# Altium PCB PCB_v6.PcbDoc (part 5 of 7)
Units mil, origin at the board's own origin, x right, y up, seen from the top; angles counter-clockwise.
Board outline 6750 x 6000 mil, 6 copper layers (Top Layer, Int1 (GND), Int2 (Sign), Int3 (Sign), Int4 (PWR), Bottom Layer), stack 61.067 mil thick; 476 components, 584 nets, 2542 pads, 986 vias.
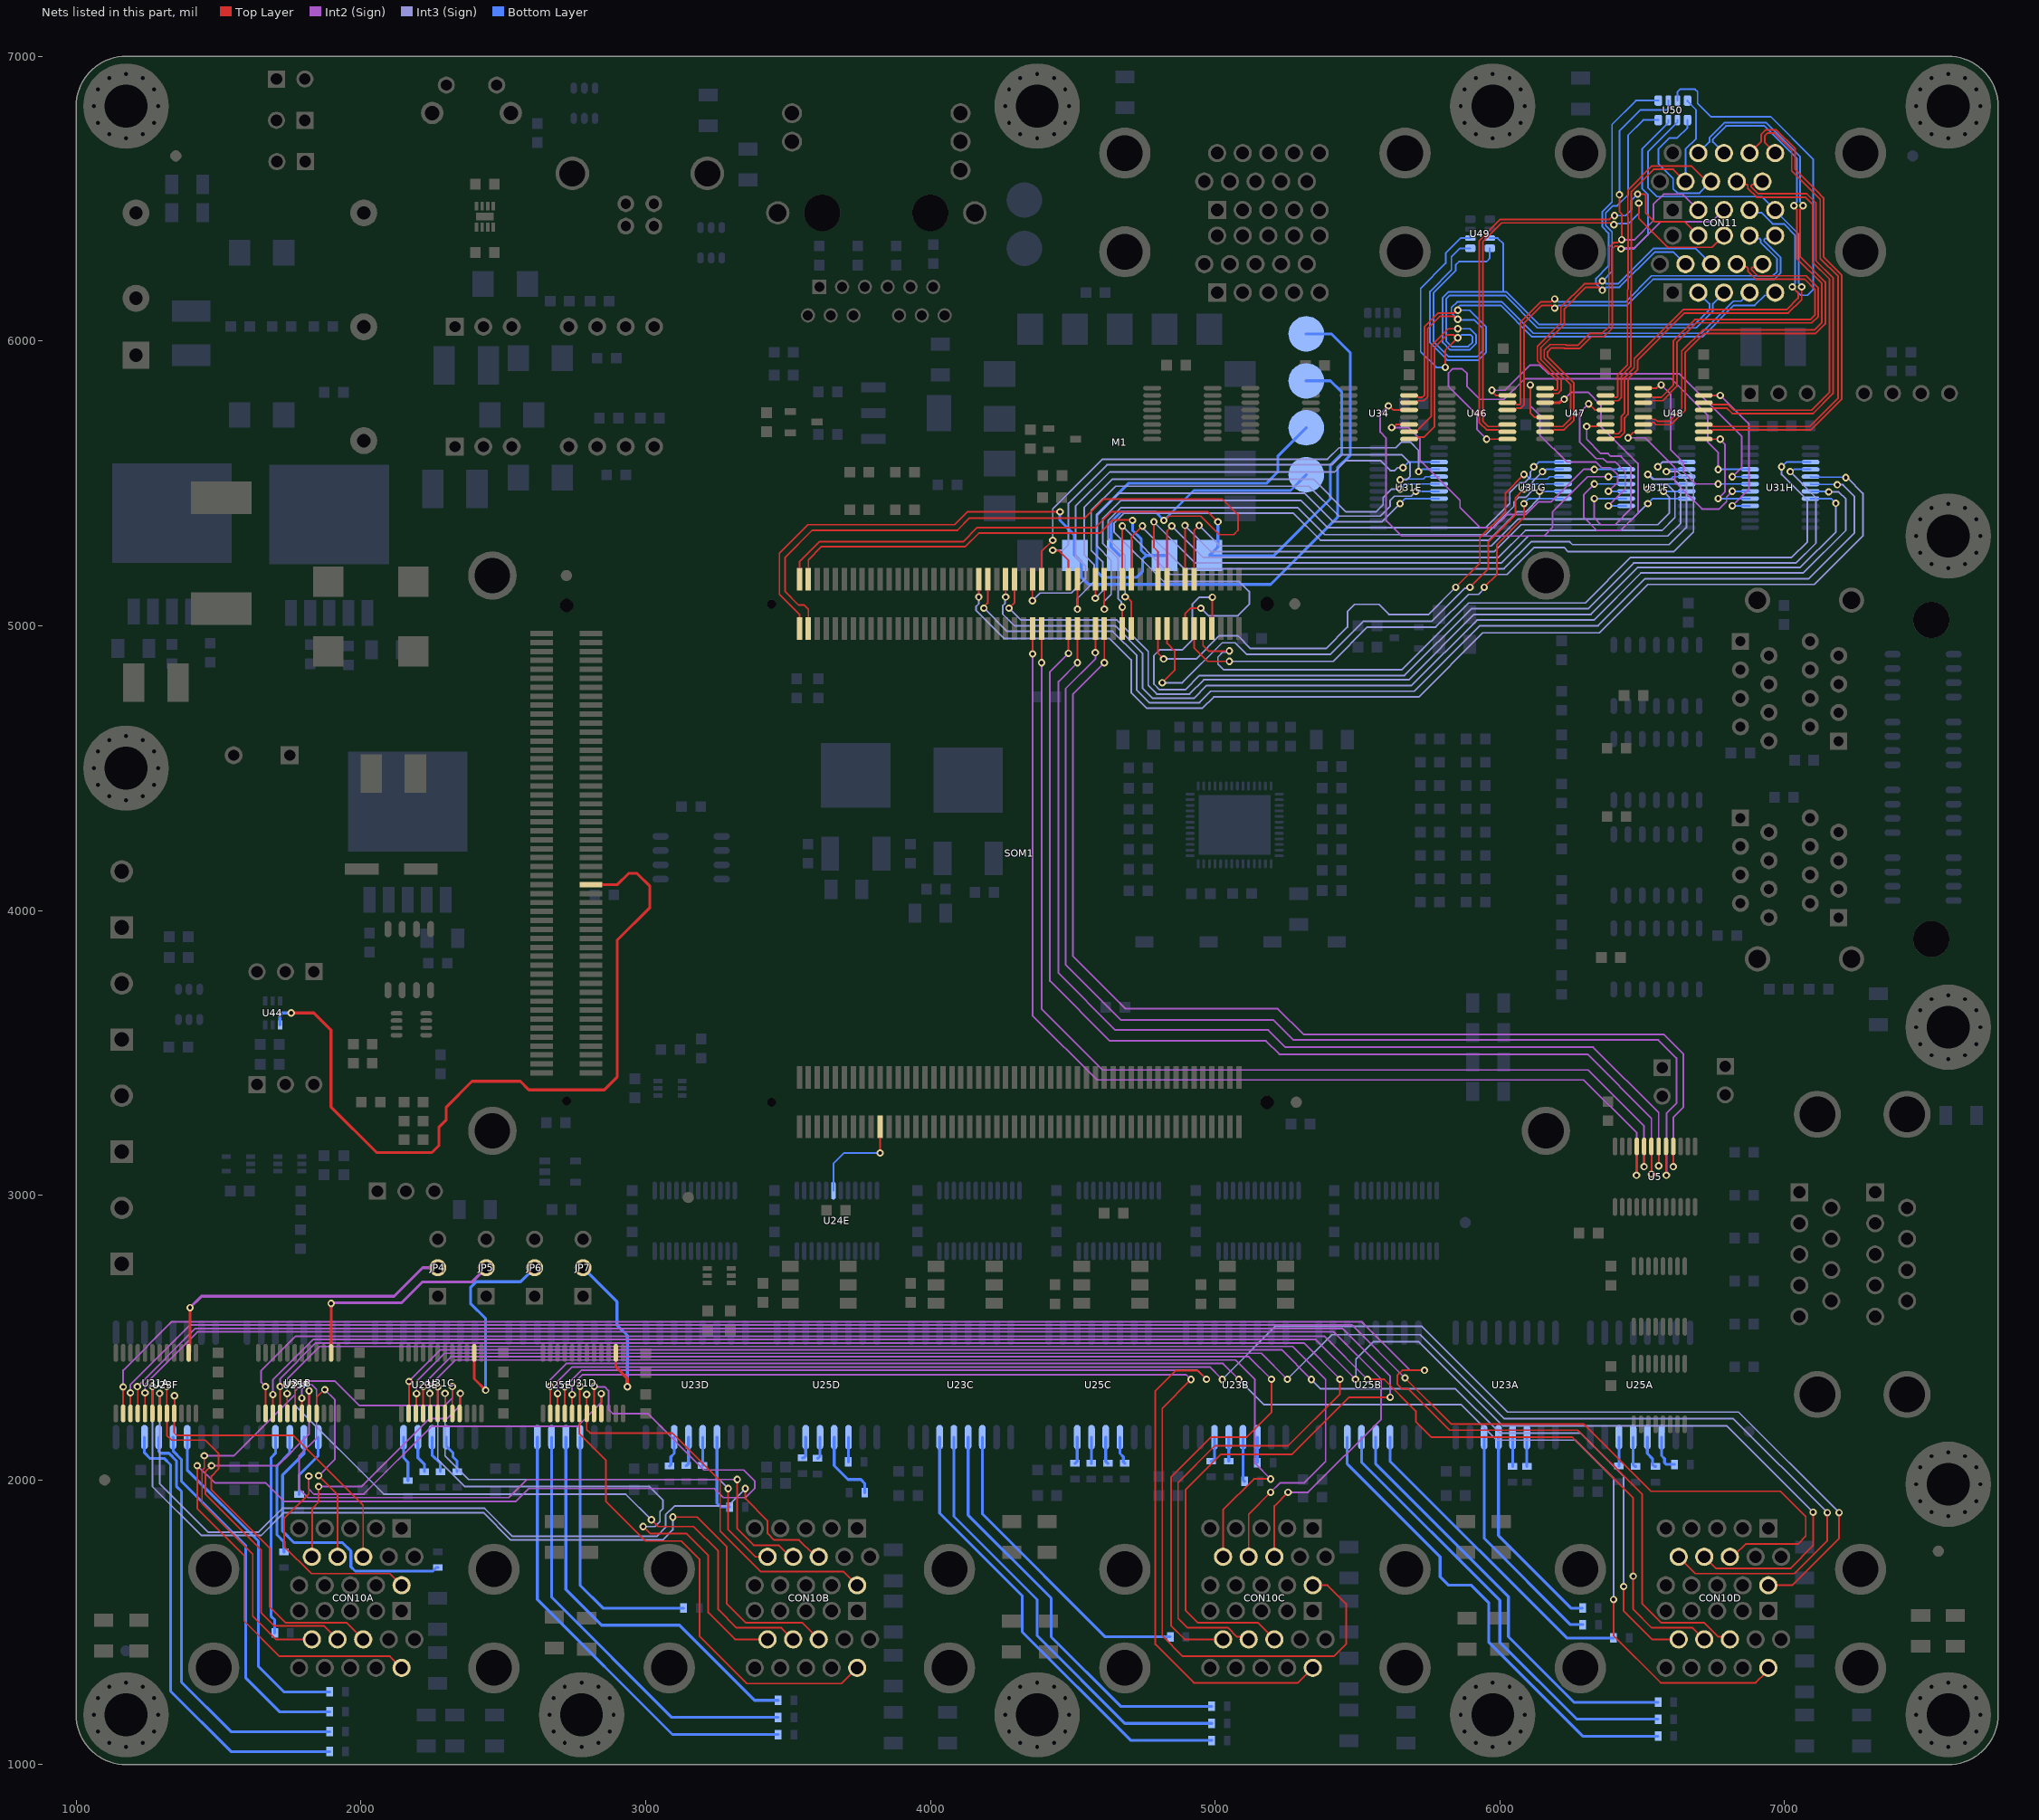
[diagram p9: the nets of this part, all layers, seen from the top]

## Via types
v1: diameter 26, hole 14, Top Layer to Bottom Layer, tented both sides, 919 vias
v2: diameter 40, hole 20, Top Layer to Bottom Layer, tented both sides, 53 vias
v3: diameter 60, hole 20, Top Layer to Bottom Layer, tented both sides, 6 vias
v4: diameter 30, hole 16, Top Layer to Bottom Layer, tented both sides, 5 vias
v5: diameter 60, hole 30, Top Layer to Bottom Layer, tented both sides, 2 vias
v6: diameter 80, hole 40, Top Layer to Bottom Layer, tented both sides, 1 vias

## Nets (pads, with @x,y where several pads share a name; then routed paths per layer and width w, separated by ;. In a path a pad name is that pad's centre, name@x,y a point inside that pad or via, vN(x,y) a via of type N, cw(c..) or ccw(c..) an arc to the next point about the centre after c; other vN are vias at no path point) (continued)
GPIO3_IN1: U31F.21 U34.11 | length 1177.9
  Top Layer w6: v1(5620,5696.17) 5625.41,5696.17 5635.85,5706.61 U34.11@5681.3,5706.61
  Int2 (Sign) w6: v1(5620,5696.17) 5678.83,5696.17 5720,5655 5720,5580 5860,5440 5860,5415 5930,5345 5980,5345 6025,5390 6090,5390 6135,5435 6180,5435 6293.98,5548.98 v1(6331.81,5548.98)
  Bottom Layer w6: v1(6331.81,5548.98) U31F.21@6443.7,5548.98
GPIO3_IN1_N: CON11.3A U34.9 U49.6 | length 2634.2
  Top Layer w6: U34.9@5681.3,5655.43 5706.51,5655.43 5713.31,5662.23 5732.86,5662.23 5770.76,5700.13 5770.76,5977.24 5814.48,6020.96 5838.38,6020.96 v1@5848.38,6010.96 ; v1(5808.43,5907.54) 5808.43,5967.49 v1(5851.89,6010.96)
  Bottom Layer w6: v1(5808.43,5907.54) 5776.77,5907.54 5721.68,5962.63 5721.68,6184.41 5809.92,6272.65 5809.92,6308.92 5862.05,6361.04 U49.6@5896.3,6361.04 ; v1(5851.89,6010.96) 5855.41,6010.96 5865.41,6020.96 5898,6020.96 5904,6014.96 5904,5995.72 5889.09,5980.81 5829.89,5980.81 5811.05,5999.65 5811.05,6147.39 5823.66,6160 6011.93,6160 6018.39,6160 6132.12,6046.27 6689.25,6046.27 6748,6105.02 6748,6131 CON11.3A@6787,6170
GPIO3_IN1_P: CON11.2A U34.10 U49.3 | length 2178.6
  Top Layer w6: U34.10@5681.3,5681.02 5704.92,5681.02 5758.76,5734.86 5758.76,5982.21 5819.51,6042.96 v1(5851.89,6042.96)
  Bottom Layer w6: v1(5851.89,6042.96) 5895.46,6042.96 5916,6022.42 5916,5990.75 5894.06,5968.81 5824.92,5968.81 5799.05,5994.68 5799.05,6152.36 5818.69,6172 6011.93,6172 ; U49.3@5964.8,6361.04 5992.37,6361.04 6011.93,6341.48 6011.93,6172 ; CON11.2A@6697,6170 6736,6131 6736,6109.99 6684.28,6058.27 6137.09,6058.27 6023.36,6172 6011.93,6172
GPIO3_IN2: U31F.20 U34.13 | length 1485.9
  Top Layer w6: v1(5608.46,5772.09) 5610.99,5772.09 5625.29,5757.8 U34.13@5681.3,5757.8
  Int2 (Sign) w6: v1(5608.46,5772.09) 5580,5743.62 5580,5680 5600,5660 5600,5370 5655,5315 6155,5315 6185,5345 6185,5400 6308.39,5523.39 v1(6381.36,5523.39)
  Bottom Layer w6: v1(6381.36,5523.39) U31F.20@6443.7,5523.39
GPIO3_IN2_N: CON11.5A U34.15 U49.5 | length 2537.2
  Top Layer w6: U34.15@5681.3,5808.98 5706.51,5808.98 5713.31,5802.18 5727.89,5802.18 5734.76,5809.05 5734.76,6049.19 5783.72,6098.15 5838.38,6098.15 5848.38,6108.15 v1(5851.89,6108.15)
  Bottom Layer w6: U49.5@5896.3,6325.61 5859.73,6325.61 5829.89,6295.77 5829.89,6248.88 5754.8,6173.79 5754.8,5993.56 5815.37,5933 5924.65,5933 5952,5960.35 5952,6049.67 5893.51,6108.15 v1(5851.89,6108.15) 5855.72,6111.98 5855.72,6120.28 5860.82,6125.37 6002.4,6125.37 6112.77,6015 6711.97,6015 6821.97,6125 6895,6125 6930.51,6160.51 6957.51,6160.51 CON11.5A@6967,6170
GPIO3_IN2_P: CON11.4A U34.14 U49.4 | length 2501.6
  Top Layer w6: U34.14@5681.3,5783.39 5706.51,5783.39 5713.31,5790.18 5732.86,5790.18 5746.76,5804.08 5746.76,6044.22 5788.69,6086.15 5838.38,6086.15 5848.38,6076.15 v1(5851.89,6076.15)
  Bottom Layer w6: U49.4@5964.8,6325.61 5964.8,6290.5 5953.29,6278.98 5856.33,6278.98 5844.63,6267.28 5844.63,6246.64 5766.8,6168.82 5766.8,5998.53 5820.34,5945 5919.68,5945 5940,5965.32 5940,6044.7 5911.03,6073.67 5854.38,6073.67 5829.89,6098.15 5829.89,6117.27 5850,6137.37 6007.37,6137.37 6117.74,6027 6707,6027 6820,6140 6847,6140 CON11.4A@6877,6170
GPIO3_IN3: U31F.19 U47.3 | length 1142.4
  Top Layer w10: U47.3@6158.7,5783.39 6209.8,5783.39 6221.89,5795.48 v1(6226.22,5795.48)
  Int2 (Sign) w6: v1(6226.22,5795.48) 6250.74,5820 6310,5820 6355,5775 6355,5700 6485,5570 6485,5395 6425,5335 6340,5335 6295,5380 6295,5460.99 v1(6331.81,5497.8)
  Bottom Layer w6: v1(6331.81,5497.8) U31F.19@6443.7,5497.8
GPIO3_IN3_N: CON11.8A U47.1 U50.8 | length 1748.9
  Top Layer w6: U47.1@6158.7,5834.57 6183.92,5834.57 6190.71,5827.77 6199.39,5827.77 6202.91,5831.29 6202.91,5858.34 6131.8,5929.44 6131.8,5981.58 6214.65,6064.42 6214.65,6118.62 6296.51,6200.49 6346.49,6200.49 6356.49,6210.49 v1(6360,6210.49)
  Bottom Layer w6: U50.8@6556.55,6776.1 6503.51,6776.1 6450.5,6723.1 6450.5,6513.02 6412.2,6474.73 6397.51,6474.73 6372,6449.21 6372,6405.59 6394,6383.59 6394,6244.49 v1(6360,6210.49) 6363.51,6210.49 6373.51,6200.49 6415.13,6200.49 6540.19,6325.54 6686.46,6325.54 CON11.8A@6742,6270
GPIO3_IN3_P: CON11.7A U47.2 U50.1 | length 1777.4
  Top Layer w6: U47.2@6158.7,5808.98 6183.92,5808.98 6190.71,5815.77 6204.36,5815.77 6214.91,5826.32 6214.91,5863.31 6143.8,5934.41 6143.8,5976.61 6226.65,6059.45 6226.65,6113.65 6301.49,6188.49 6346.49,6188.49 6356.49,6178.49 v1(6360,6178.49)
  Bottom Layer w6: U50.1@6556.55,6844.61 6478.12,6844.61 6394,6760.49 6394,6488.18 6360,6454.18 6360,6400.62 6382,6378.62 6382,6263.6 6338,6219.6 6338,6200.49 v1(6360,6178.49) 6363.51,6178.49 6373.51,6188.49 6420.1,6188.49 6543.41,6311.79 6610.21,6311.79 CON11.7A@6652,6270
GPIO3_OUT1: U31H.21 U46.9 | length 1748.4
  Top Layer w6: v1(5953.29,5655.16) 5953.43,5655.3 6026.16,5655.3 U46.9@6026.3,5655.43
  Int2 (Sign) w6: v1(5953.29,5655.16) 5920,5688.45 5920,5740 5820,5840 5820,5888 5833.82,5901.82 5868.18,5901.82 5885,5885 5885,5840 5930,5795 6015,5795 6087.39,5867.39 6602.61,5867.39 6730,5740 6730,5645 6766.81,5608.19 v1(6766.81,5548.98)
  Bottom Layer w6: v1(6766.81,5548.98) U31H.21@6878.7,5548.98
GPIO3_OUT1_N: CON11.13A U46.11 | length 1768
  Top Layer w6: U46.11@6026.3,5706.61 6001.08,5706.61 5994.29,5699.82 5958.26,5699.82 5940,5718.08 5940,6347.95 6006.9,6414.84 6389.01,6414.84 6395.56,6408.29 v1(6400.41,6408.29) ; v1(6487.73,6483.97) 6487.73,6431.28 6590.02,6329 6746,6329 CON11.13A@6787,6370
  Bottom Layer w6: v1(6400.41,6408.29) 6404.14,6412.03 6451.03,6412.03 6487.73,6448.73 v1(6487.73,6483.97)
GPIO3_OUT1_P: CON11.12A U46.10 | length 1704.2
  Top Layer w6: U46.10@6026.3,5681.02 6001.08,5681.02 5994.29,5687.82 5953.29,5687.82 5931.51,5709.59 5928,5713.11 5928,6352.92 6001.93,6426.84 6385.02,6426.84 6398.38,6440.21 v1(6402.77,6440.21) ; v1(6483.79,6515.73) 6508.41,6515.73 6511.93,6512.21 6511.93,6449.67 6542.59,6419 6648,6419 CON11.12A@6697,6370
  Bottom Layer w6: v1(6402.77,6440.21) 6441.26,6440.21 6461.79,6460.73 6461.79,6493.73 v1(6483.79,6515.73)
GPIO3_OUT2: U31H.20 U46.15 | length 1300
  Top Layer w6: v1(5972,5826.69) 5972,5822.78 5985.8,5808.98 U46.15@6026.3,5808.98
  Int2 (Sign) w6: v1(5972,5826.69) 6016.69,5826.69 6105,5915 6140,5915 6170,5885 6630,5885 6850,5665 6850,5557.03 v1(6816.36,5523.39)
  Bottom Layer w6: v1(6816.36,5523.39) U31H.20@6878.7,5523.39
GPIO3_OUT2_N: CON11.15A U46.13 | length 1520.6
  Top Layer w6: U46.13@6026.3,5757.8 6051.51,5757.8 6058.31,5764.59 6074.29,5764.59 6084.83,5775.13 6084.83,6061.78 6148.42,6125.37 6179.14,6125.37 6189.14,6115.37 v1(6192.65,6115.37)
  Bottom Layer w6: v1(6192.65,6115.37) 6196.16,6115.37 6206.16,6125.37 6446.35,6125.37 6537.98,6217 6963.91,6217 6985.51,6238.6 6985.51,6293.5 6928,6351.01 6928,6355.98 6931.51,6359.5 6956.5,6359.5 CON11.15A@6967,6370
GPIO3_OUT2_P: CON11.14A U46.14 | length 1500.7
  Top Layer w6: U46.14@6026.3,5783.39 6051.51,5783.39 6058.31,5776.59 6069.32,5776.59 6072.83,5780.11 6072.83,6066.76 6143.45,6137.37 6179.14,6137.37 6189.14,6147.37 v1(6192.65,6147.37)
  Bottom Layer w6: v1(6192.65,6147.37) 6196.16,6147.37 6206.16,6137.37 6441.38,6137.37 6533.01,6229 6958.94,6229 6973.51,6243.58 6973.51,6288.53 6916,6346.04 6916,6355.98 6912.49,6359.5 6887.5,6359.5 CON11.14A@6877,6370
GPIO3_OUT3: U31H.19 U48.1 | length 656.4
  Top Layer w6: U48.1@6503.7,5834.57 6550.28,5834.57 6561.1,5845.39 v1(6566.51,5845.39)
  Int2 (Sign) w6: v1(6566.51,5845.39) 6600,5811.91 6600,5617.5 6645,5572.5 6645,5540 6687.2,5497.8 v1(6766.81,5497.8)
  Bottom Layer w6: v1(6766.81,5497.8) U31H.19@6878.7,5497.8
GPIO3_OUT3_N: CON11.10A U48.3 | length 1242.2
  Top Layer w6: U48.3@6503.7,5783.39 6528.92,5783.39 6535.71,5790.18 6571.76,5790.18 6622,5840.42 6622,5995.99 6689.53,6063.51 7095.5,6063.51 7118.41,6086.42 7118.41,6186.59 7076,6229 6905.02,6229 6883.6,6250.42 6883.6,6255.39 6887.12,6258.9 6910.9,6258.9 CON11.10A@6922,6270
GPIO3_OUT3_P: CON11.9A U48.2 | length 1223.5
  Top Layer w6: U48.2@6503.7,5808.98 6528.92,5808.98 6535.71,5802.18 6566.79,5802.18 6610,5845.39 6610,6000.96 6684.56,6075.51 7090.53,6075.51 7106.41,6091.39 7106.41,6181.62 7071.03,6217 6900.05,6217 6871.6,6245.45 6871.6,6255.39 6867.49,6259.5 6842.5,6259.5 CON11.9A@6832,6270
GPIO4_IN1: U31F.18 U47.5 | length 810.4
  Top Layer w6: v1(6106.83,5845.39) 6106.83,5747.37 6122,5732.2 U47.5@6158.7,5732.2
  Int2 (Sign) w6: v1(6106.83,5845.39) 6106.83,5773.17 6140,5740 6140,5670 6235,5575 6336.9,5575 6356.9,5555 6388.03,5555 6414.01,5529.01 6414.01,5504.86 v1(6381.36,5472.2)
  Bottom Layer w6: v1(6381.36,5472.2) U31F.18@6443.7,5472.2
GPIO4_IN1_N: CON11.3B U47.7 U50.7 | length 1959.5
  Top Layer w6: U47.7@6158.7,5681.02 6183.92,5681.02 6190.71,5687.82 6225.56,5687.82 6260.22,5722.48 6260.22,5851.93 6167.8,5944.35 6167.8,5962.58 6180.69,5975.46 6225.14,5975.46 6227.16,5973.44 6279.49,5973.44 6320.53,6014.49 6364.43,6014.49 6394.9,6044.96 6394.9,6323.56 6404.89,6333.54 6412.49,6333.54 6422.49,6323.54 v1(6426,6323.54)
  Int2 (Sign) w6: v1(6426,6323.54) 6429.46,6327 6474.18,6327 6566.18,6419 6746,6419 CON11.3B@6787,6460
  Bottom Layer w6: v1(6426,6323.54) 6470.72,6323.54 6520,6372.82 6520,6514.32 6500,6534.32 6500,6675.26 6591.98,6767.25 U50.7@6591.98,6776.1
GPIO4_IN1_P: CON11.2B U47.6 U50.2 | length 1989.7
  Top Layer w6: U47.6@6158.7,5706.61 6183.92,5706.61 6190.71,5699.82 6220.59,5699.82 6248.22,5727.45 6248.22,5846.96 6155.8,5939.38 6155.8,5967.55 6175.72,5987.46 6230.11,5987.46 6232.13,5985.44 6274.51,5985.44 6315.56,6026.49 6359.46,6026.49 6382.9,6049.93 6382.9,6328.53 6399.92,6345.54 6412.59,6345.54 6422.59,6355.54 v1(6428,6355.54) 6428,6446.09 6420.08,6454.01 v1(6420.08,6513.71)
  Int2 (Sign) w6: v1(6428,6355.54) 6472.92,6355.54 6539.37,6422 6539.37,6480.6 6574.5,6515.73 6641.27,6515.73 CON11.2B@6697,6460
  Bottom Layer w6: v1(6420.08,6513.71) 6420.08,6738.22 6492.61,6810.75 6583.92,6810.75 6591.98,6818.82 U50.2@6591.98,6844.61
GPIO4_IN2: U31F.17 U47.11 | length 799.3
  Top Layer w6: v1(6305,5700) 6339.29,5700 6345.9,5706.61 U47.11@6371.3,5706.61
  Int2 (Sign) w6: v1(6305,5700) 6305,5655 6355,5605 6380,5605 6390,5595 6425,5595 6460,5560 6460,5410 6405,5355 6355,5355 6331.81,5378.19 v1(6331.81,5446.61)
  Bottom Layer w6: v1(6331.81,5446.61) U31F.17@6443.7,5446.61
GPIO4_IN2_N: CON11.5B U47.9 U50.6 | length 2126.5
  Top Layer w6: U47.9@6371.3,5655.43 6396.51,5655.43 6403.31,5662.23 6420.74,5662.23 6438.31,5679.8 6438.31,5730.15 6450.31,5742.15 6450.31,5866.89 6484,5900.58 6484,5933.2 6648.95,6098.15 7012.78,6098.15 7060,6145.38 v1(7060,6190)
  Bottom Layer w6: U50.6@6623.48,6776.1 6623.48,6767.25 6520,6663.77 6520,6538.37 6551.37,6507 6920,6507 CON11.5B@6967,6460 6967,6458.42 7049.53,6375.89 7049.53,6203.51 7060,6193.04 v1(7060,6190)
GPIO4_IN2_P: CON11.4B U47.10 U50.3 | length 2617.7
  Top Layer w6: U47.10@6371.3,5681.02 6396.51,5681.02 6403.31,5674.23 6415.77,5674.23 6426.31,5684.77 6426.31,5735.12 6438.31,5747.12 6438.31,5871.86 6472,5905.55 6472,5938.17 6643.98,6110.15 7007.81,6110.15 7048,6150.35 7048,6169.05 v1(7027.05,6190)
  Bottom Layer w6: U50.3@6623.48,6844.61 6623.48,6874.61 6632.93,6884.06 6685.52,6884.06 6694.57,6875 6694.57,6834.05 6740.91,6787.72 6951.08,6787.72 7100.17,6638.63 7100.17,6179.97 7080.71,6160.51 7056.55,6160.51 v1(7027.05,6190) 7027.05,6193.04 7037.53,6203.51 7037.53,6370.92 6997.45,6411 6958.02,6411 6918,6451.02 6885.98,6451.02 CON11.4B@6877,6460
GPIO4_IN3: U31F.16 U47.13 | length 624.6
  Top Layer w6: v1(6311.73,5779.01) 6332.95,5757.8 U47.13@6371.3,5757.8
  Int2 (Sign) w6: v1(6311.73,5779.01) 6280,5747.28 6280,5645 6338,5587 6363,5587 6375,5575 6405,5575 6440,5540 6440,5479.67 v1(6381.36,5421.02)
  Bottom Layer w6: v1(6381.36,5421.02) U31F.16@6443.7,5421.02
GPIO4_IN3_N: CON11.8B U47.15 U50.5 | length 1614.9
  Top Layer w6: U47.15@6371.3,5808.98 6396.51,5808.98 6403.31,5802.18 6410.8,5802.18 6414.31,5805.7 6414.31,5881.8 6448,5915.49 6448,6179.35 6450,6181.35 6450,6433.2 6449.79,6433.41 6449.79,6529.81 6534.68,6614.7 6672.25,6614.7 6716.46,6570.5 6731.5,6570.5 CON11.8B@6742,6560
  Bottom Layer w6: U50.5@6658.91,6776.1 6658.91,6748.8 6623.01,6712.89 6595.22,6712.89 6556.55,6674.22 6556.55,6623.43 6608.75,6571.23 6608.75,6534.51 6624.26,6519 6701,6519 CON11.8B@6742,6560
GPIO4_IN3_P: CON11.7B U47.14 U50.4 | length 1353.9
  Top Layer w6: U47.14@6371.3,5783.39 6396.51,5783.39 6403.31,5790.18 6415.77,5790.18 6426.31,5800.73 6426.31,5876.83 6460,5910.52 6460,6174.38 6462,6176.38 6462,6438.17 6461.79,6438.38 6461.79,6524.84 6539.65,6602.7 6609.3,6602.7 CON11.7B@6652,6560
  Bottom Layer w6: CON11.7B@6652,6560 6652,6673.86 6689.25,6711.1 6689.25,6811.35 6658.91,6841.69 U50.4@6658.91,6844.61
GPIO4_OUT1: U31H.18 U48.7 | length 659
  Top Layer w6: v1(6450,5660) 6469.16,5679.16 6501.84,5679.16 U48.7@6503.7,5681.02
  Int2 (Sign) w6: v1(6450,5660) 6510,5660 6615,5555 6615,5505 6710,5410 6770,5410 6796.27,5436.27 6796.27,5452.11 v1(6816.36,5472.2)
  Bottom Layer w6: v1(6816.36,5472.2) U31H.18@6878.7,5472.2
GPIO4_OUT1_N: CON11.13B U48.5 | length 1944
  Top Layer w6: U48.5@6503.7,5732.2 6528.92,5732.2 6535.82,5725.3 6545.65,5725.3 6552.87,5718.08 6596,5718.08 6639,5761.08 6639,5964.63 6712.86,6038.49 7104.27,6038.49 7131,6065.21 7131,6202.03 7043,6290.03 7043,6461.49 7033,6471.49 v1(7033,6475)
  Bottom Layer w6: CON11.13B@6787,6660 6748,6699 6748,6708.97 6794.37,6755.34 6929.64,6755.34 7043,6641.98 7043,6488.51 7033,6478.51 v1(7033,6475)
GPIO4_OUT1_P: CON11.12B U48.6 | length 2003.5
  Top Layer w6: U48.6@6503.7,5706.61 6529.03,5706.61 6535.71,5713.3 6540.68,5713.3 6547.9,5706.08 6600.97,5706.08 6651,5756.11 6651,5959.66 6717.83,6026.49 7109.24,6026.49 7143,6060.24 7143,6207 7055,6295 7055,6461.49 7065,6471.49 v1(7065,6475)
  Bottom Layer w6: CON11.12B@6697,6660 6736,6699 6736,6713.94 6789.4,6767.34 6934.61,6767.34 7055,6646.95 7055,6488.51 7065,6478.51 v1(7065,6475)
GPIO4_OUT2: U31H.17 U48.9 | length 394.4
  Top Layer w6: U48.9@6716.3,5655.43 6716.44,5655.3 6773.65,5655.3 v1(6773.79,5655.16)
  Int2 (Sign) w6: v1(6766.81,5446.61) 6790,5469.81 6790,5637.88 6773.79,5654.09 v1(6773.79,5655.16)
  Bottom Layer w6: v1(6766.81,5446.61) U31H.17@6878.7,5446.61
GPIO4_OUT2_N: CON11.15B U48.11 | length 1653.3
  Top Layer w6: U48.11@6716.3,5706.61 6741.51,5706.61 6748.31,5699.82 7087.85,5699.82 7188,5799.97 7188,6227 7125,6290 7125,6498.03 7096.51,6526.51 7025,6598.03 7025,6670 6965,6730 6939.3,6730 6930,6720.7 6930,6697 CON11.15B@6967,6660
GPIO4_OUT2_P: CON11.14B U48.10 | length 1714.6
  Top Layer w6: U48.10@6716.3,5681.02 6741.51,5681.02 6748.31,5687.82 7092.82,5687.82 7200,5795 7200,6231.97 7137,6294.97 7137,6503 7113.49,6526.51 7037,6603 7037,6674.97 6969.97,6742 6934.33,6742 6918,6725.67 6918,6701 CON11.14B@6877,6660
GPIO4_OUT3: U31H.16 U48.15 | length 574.1
  Top Layer w6: U48.15@6716.3,5808.98 v1(6774,5808.98)
  Int2 (Sign) w6: v1(6774,5808.98) 6875,5707.98 6875,5479.67 v1(6816.36,5421.02)
  Bottom Layer w6: v1(6816.36,5421.02) U31H.16@6878.7,5421.02
GPIO4_OUT3_N: CON11.10B U48.13 | length 1488.5
  Top Layer w6: U48.13@6716.3,5757.8 6741.51,5757.8 6748.31,5764.59 6796.82,5764.59 6816.41,5745 7100,5745 7170,5815 7170,6221.97 7110,6281.97 7110,6485 7078.21,6516.79 6907.22,6516.79 6883,6541.02 6883,6545.99 6886.51,6549.5 6911.5,6549.5 CON11.10B@6922,6560
GPIO4_OUT3_P: CON11.9B U48.14 | length 1468.6
  Top Layer w6: U48.14@6716.3,5783.39 6741.51,5783.39 6748.31,5776.59 6801.79,5776.59 6821.38,5757 7095.03,5757 7158,5819.97 7158,6217 7098,6277 7098,6480.03 7073.24,6504.79 6902.25,6504.79 6871,6536.05 6871,6545.99 6867.49,6549.5 6842.5,6549.5 CON11.9B@6832,6560
INV1_PWM1: RT1A.1 U23E.11 | length 136.5
  Bottom Layer w10: U23E.11@2300,2150 2300,2118.5 2323.23,2095.28 2323.23,2080.92 2338.19,2065.96 RT1A.1@2338.19,2029.3
INV1_PWM2: RT3A.1 U23E.12 | length 132.8
  Bottom Layer w10: U23E.12@2250,2150 2250,2087.59 2279.32,2058.27 RT3A.1@2279.32,2029.3
INV1_PWM3: RT5A.1 U23E.13 | length 130.1
  Bottom Layer w10: U23E.13@2200,2150 2200,2078.12 2222.68,2055.43 RT5A.1@2222.68,2029.3
INV1_PWM4: RT7A.1 U23E.14 | length 159
  Bottom Layer w10: U23E.14@2150,2150 2150,2077.54 2165.63,2061.91 2165.37,2061.65 RT7A.1@2165.37,1997.56
INV1_PWM5: RT9A.1 U25F.11 | length 228.7
  Bottom Layer w10: RT9A.1@1783,1949.04 1783,2018 1850,2085 U25F.11@1850,2150
INV1_PWM6: RT11A.1 U25F.12 | length 1001.4
  Bottom Layer w10: U25F.12@1800,2150 1800,2092 1725,2017 1725,1820 1765,1780 1935,1780 1965,1750 1965,1695 1980,1680 2252.64,1680 2265.08,1692.44 RT11A.1@2270,1692.44
INV2_PWM1: RT2A.1 U23F.13 | length 1502.3
  Bottom Layer w10: U23F.13@1290,2150 1290,2100.86 1297.27,2093.59 1325.69,2093.59 1351.81,2067.46 1351.81,1978.19 1370,1960 1370,1290 1544.06,1115.94 RT2A.1@1890.44,1115.94
INV2_PWM2: RT4A.1 U23F.12 | length 1295.4
  Bottom Layer w10: U23F.12@1340,2150 1340.66,2149.34 1340.66,2101.24 1370,2071.9 1370,1995 1595,1770 1595,1305 1714.06,1185.94 RT4A.1@1890.44,1185.94
INV2_PWM3: RT6A.1 U23F.11 | length 1195.9
  Bottom Layer w10: U23F.11@1390,2150 1390,2035.08 1640,1785.08 1640,1345 1729.06,1255.94 RT6A.1@1890.44,1255.94
INV2_PWM4: RT8A.1 U25F.14 | length 698.7
  Bottom Layer w10: RT8A.1@1697.44,1462.63 1697.44,1508 1685,1520.44 1685,2078.78 1700,2093.78 U25F.14@1700,2150
INV2_PWM5: RT10A.1 U25F.13 | length 431.4
  Bottom Layer w10: RT10A.1@1730,1747.56 1730,1782.19 1705,1807.19 1705,2050 1750,2095 U25F.13@1750,2150
INV2_PWM6: RT12A.1 U23F.14 | length 1605.7
  Bottom Layer w10: U23F.14@1240,2150 1240,2095 1260,2075 1310,2075 1331.65,2053.35 1331.65,1258.35 1544.06,1045.94 RT12A.1@1890.44,1045.94
INV3_PWM1: RT1B.1 U25D.11 | length 86.6
  Bottom Layer w10: RT1B.1@3711.94,2063.54 3712.12,2063.72 3712.12,2149.82 U25D.11@3712.31,2150
INV3_PWM2: RT3B.1 U25D.12 | length 265.7
  Bottom Layer w10: U25D.12@3662.31,2150 3662.31,2049.93 3710.69,2001.54 3755.73,2001.54 3769.41,1987.86 RT3B.1@3769.41,1955
INV3_PWM3: RT5B.1 U25D.13 | length 78.1
  Bottom Layer w10: RT5B.1@3603.96,2076.26 3605.5,2076.26 3612.31,2083.07 U25D.13@3612.31,2150
INV3_PWM4: RT7B.1 U25D.14 | length 80.3
  Bottom Layer w10: RT7B.1@3550.5,2077.49 3555.42,2077.49 3562.31,2084.37 U25D.14@3562.31,2150
INV3_PWM5: RT9B.1 U23D.11 | length 281.8
  Bottom Layer w10: U23D.11@3250.46,2150 3250.46,1918.26 3262.51,1906.21 3293.36,1906.21 RT9B.1@3294.88,1904.68
INV3_PWM6: RT11B.1 U23D.12 | length 99.4
  Bottom Layer w10: RT11B.1@3200.46,2050.56 U23D.12@3200.46,2150
INV4_PWM1: RT2B.1 U25E.13 | length 1532.5
  Bottom Layer w10: U25E.13@2669.64,2150 2669.64,1587.86 3091.56,1165.94 RT2B.1@3465.24,1165.94
INV4_PWM2: RT4B.1 U25E.12 | length 1441.5
  Bottom Layer w10: U25E.12@2719.64,2150 2719.64,1615.36 2845,1490 3118.65,1490 3382.7,1225.94 RT4B.1@3465.24,1225.94
INV4_PWM3: RT6B.1 U25E.11 | length 916.8
  Bottom Layer w10: U25E.11@2769.64,2150 2769.64,1630.36 2850,1550 RT6B.1@3133.53,1550
INV4_PWM4: RT8B.1 U23D.14 | length 108.2
  Bottom Layer w10: RT8B.1@3083.84,2048.7 3088.31,2053.17 3088.31,2080.92 3100.46,2093.07 U23D.14@3100.46,2150
INV4_PWM5: RT10B.1 U23D.13 | length 103.8
  Bottom Layer w10: RT10B.1@3142.11,2050.56 3143.65,2050.56 3150.46,2057.37 U23D.13@3150.46,2150
INV4_PWM6: RT12B.1 U25E.14 | length 1611.7
  Bottom Layer w10: U25E.14@2619.64,2150 2619.64,1580.36 3094.06,1105.94 RT12B.1@3465.24,1105.94
INV5_PWM1: RT1C.1 U23B.11 | length 89.5
  Bottom Layer w10: U23B.11@5147.87,2150 5148.15,2149.71 5148.15,2061.02 RT1C.1@5148.44,2060.73
INV5_PWM2: RT3C.1 U23B.12 | length 157.3
  Bottom Layer w10: U23B.12@5097.87,2150 5097.87,2000.57 RT3C.1@5103.44,1995
INV5_PWM3: RT5C.1 U23B.13 | length 84.1
  Bottom Layer w10: U23B.13@5047.87,2150 5047.87,2066.06 RT5C.1@5047.98,2065.95
INV5_PWM4: RT7C.1 U23B.14 | length 91.8
  Bottom Layer w10: RT7C.1@4986.06,2065.95 4990.98,2065.95 4997.87,2072.84 U23B.14@4997.87,2150
INV5_PWM5: RT9C.1 U25C.11 | length 98.7
  Bottom Layer w10: U25C.11@4665.82,2150 4665.82,2092.89 4677.63,2081.08 4677.63,2063.78 RT9C.1@4682.98,2058.43
INV5_PWM6: RT11C.1 U25C.12 | length 95.7
  Bottom Layer w10: U25C.12@4615.82,2150 4615.82,2065.24 4622.63,2058.43 RT11C.1@4623.92,2058.43
INV6_PWM1: RT2C.1 U23C.13 | length 1558.1
  Bottom Layer w10: U23C.13@4082.59,2150 4082.59,1872 4375,1579.59 4375,1453 4683,1145 RT2C.1@4987.44,1145